# Altium PCB galileo_cleaned.PcbDoc (part 3 of 10)
Units mil, origin at the board's own origin, x right, y up, seen from the top; angles counter-clockwise.
Board outline 4205 x 2835.09 mil, 6 copper layers (TOP, PWR, LYR_1, LYR_2, GND, BOTTOM), stack 80.1 mil thick; 533 components, 432 nets, 2101 pads, 1155 vias.
Unrouted connection lines stored in the file: 669.
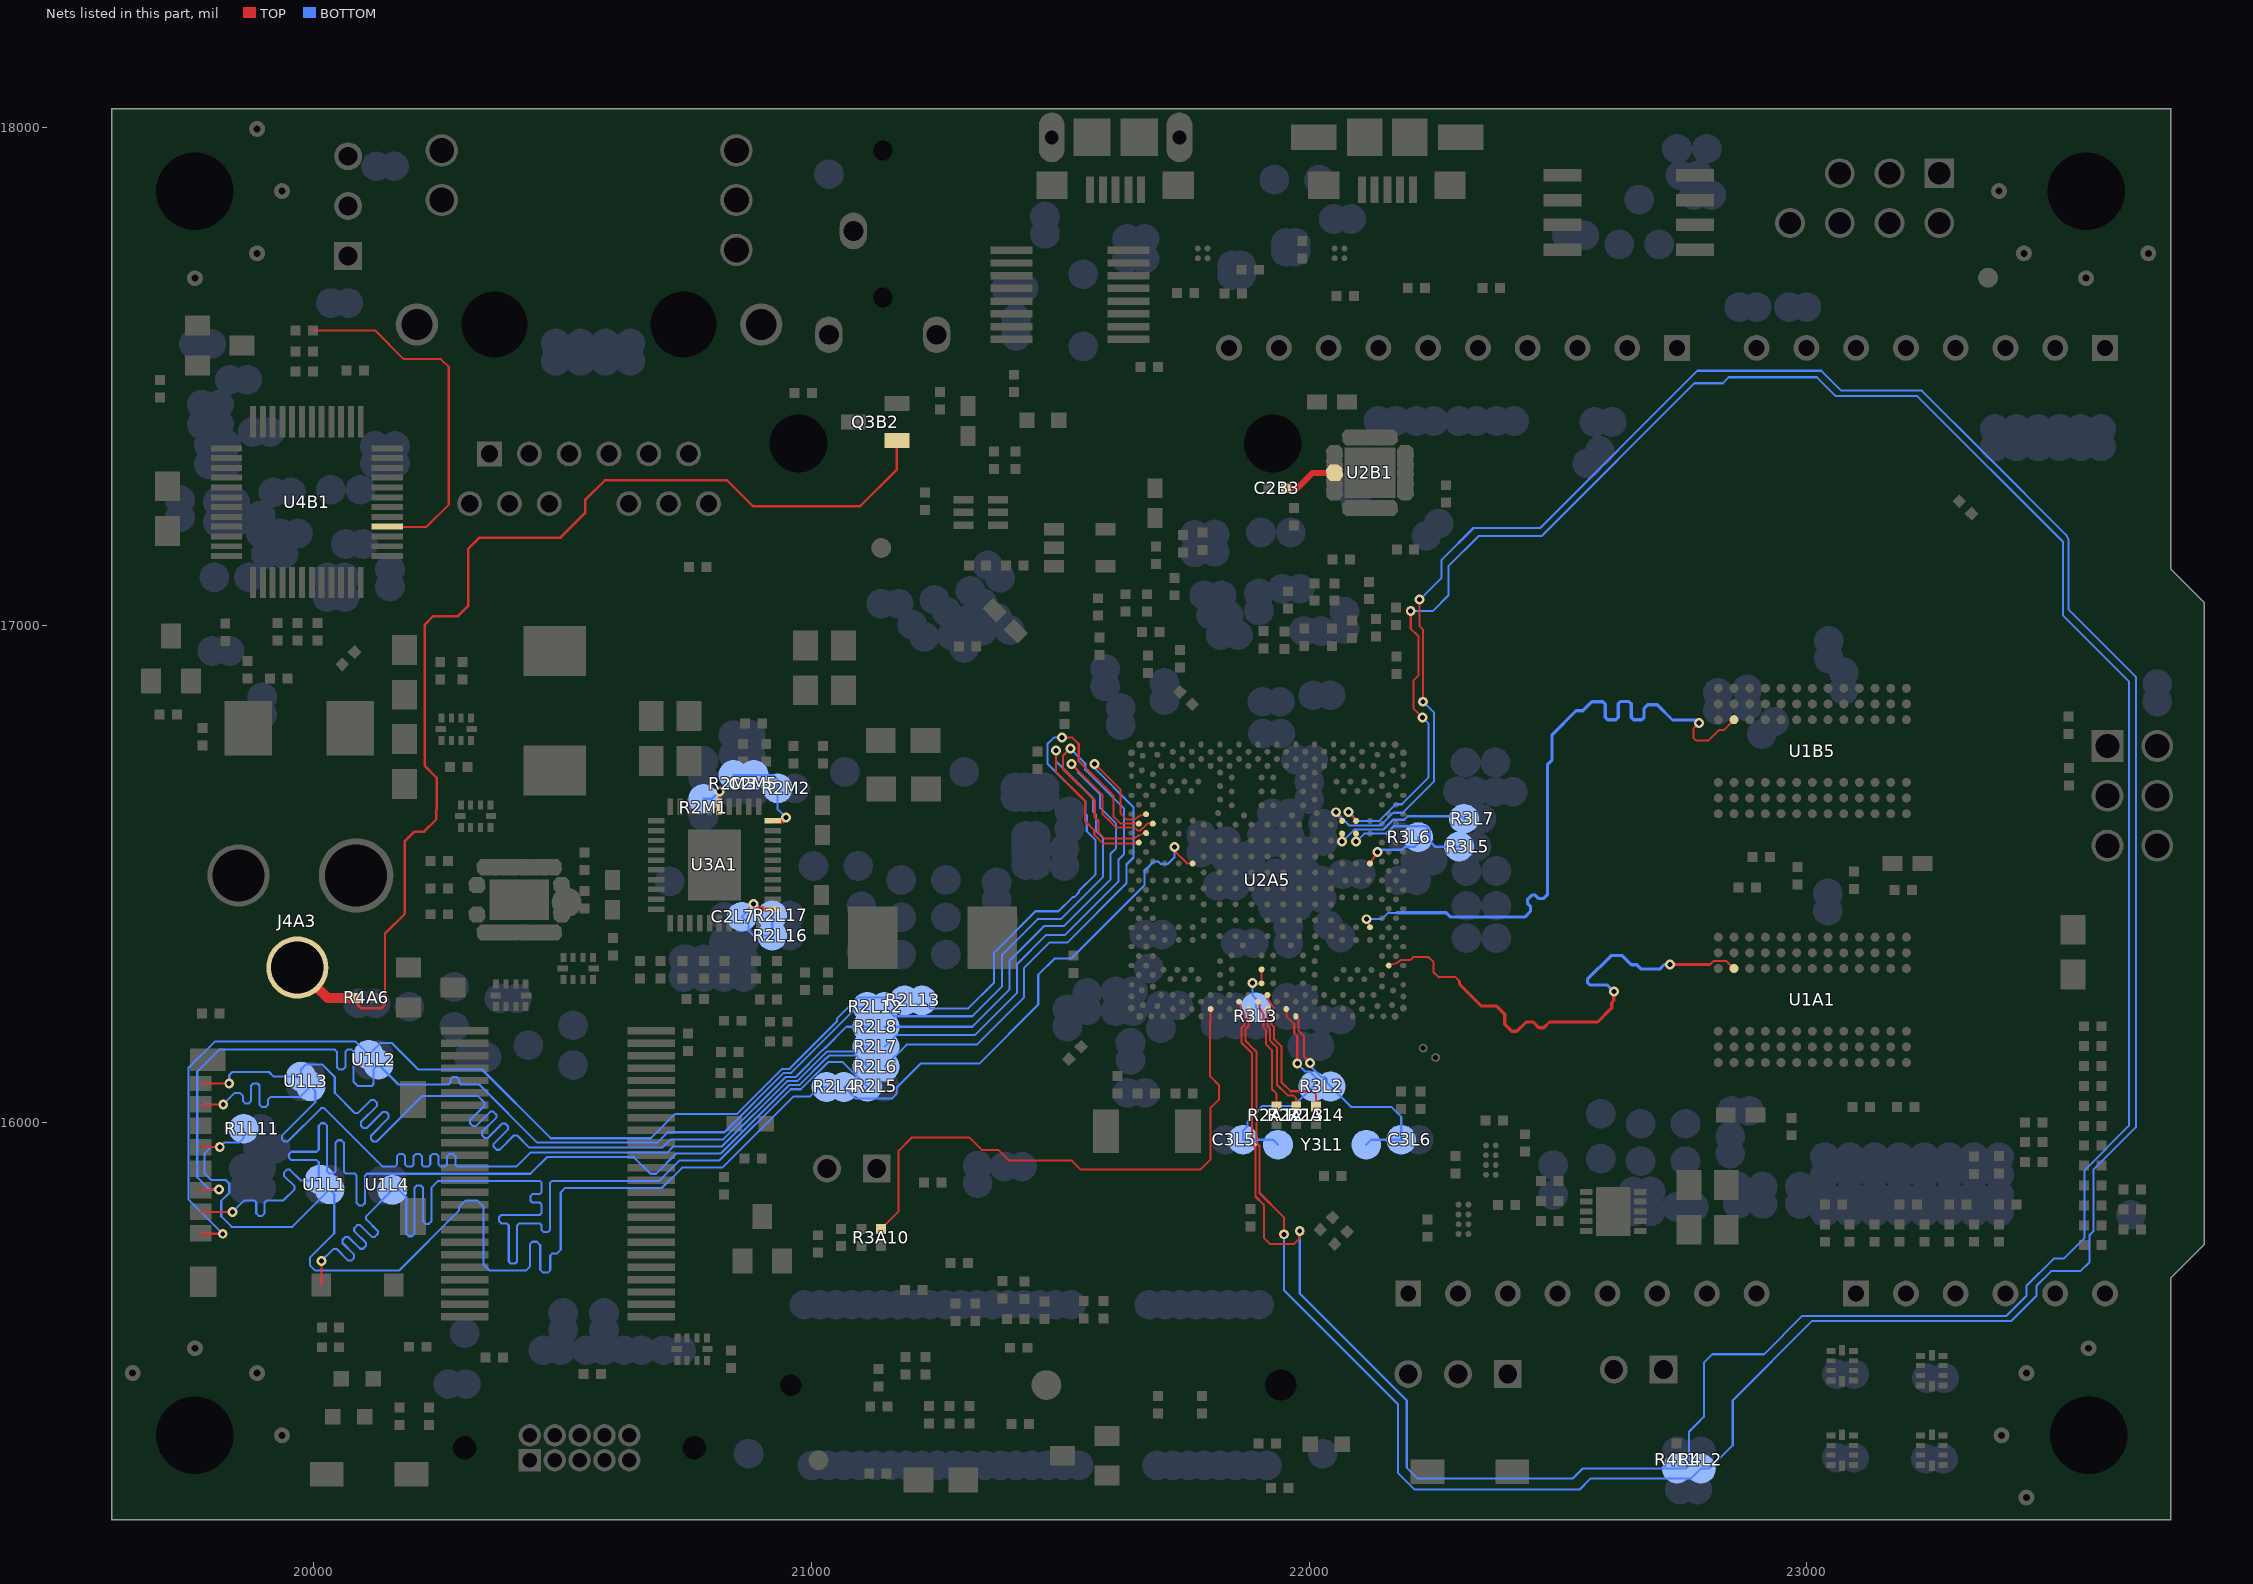
[diagram p7: the nets of this part, all layers, seen from the top]

## Via types
v1: diameter 20, hole 10, TOP to BOTTOM, 1096 vias
v2: diameter 18, hole 10, TOP to BOTTOM, 43 vias
v3: diameter 25, hole 25, TOP to BOTTOM, 16 vias

## Nets (pads, with @x,y where several pads share a name; then routed paths per layer and width w, separated by ;. In a path a pad name is that pad's centre, name@x,y a point inside that pad or via, vN(x,y) a via of type N, cw(c..) or ccw(c..) an arc to the next point about the centre after c; other vN are vias at no path point) (continued)
CLN_SD_CD_N_R: R2L5.2 U1L4.A2 | length 2414.7
  TOP w4.2: 20015.19,15674.02 v1(20015.19,15722.19)
  BOTTOM w4.2: v1(20015.19,15722.19) 20039.7,15746.7 20045.64,15746.7 20069.2,15723.14 20075.14,15723.14 20081.08,15729.08 20081.08,15735.02 20057.52,15758.58 20057.52,15764.52 20063.46,15770.46 20069.4,15770.46 20092.96,15746.9 20098.9,15746.9 20104.84,15752.84 20104.84,15758.78 20081.28,15782.34 20081.28,15788.28 20087.22,15794.22 20093.16,15794.22 20116.72,15770.66 20122.66,15770.66 20128.6,15776.6 20128.6,15782.54 20105.04,15806.1 20105.04,15812.04 20157.84,15864.84 U1L4.A2@20157.84,15865.16 20170.84,15865.16 20185.64,15850.36 20185.64,15776.92 20190.56,15772 20197.52,15772 20202.44,15776.92 20202.44,15869.8 20206.64,15874 20215.04,15874 20219.24,15869.8 20219.24,15801.92 20224.16,15797 20231.12,15797 20236.04,15801.92 20236.04,15869.8 20249.64,15883.4 20453.47,15883.4 20457.67,15879.2 20457.67,15860.73 20453.47,15856.53 20439.2,15856.53 20435,15852.33 20435,15843.93 20439.2,15839.73 20453.47,15839.73 20457.67,15835.53 20457.67,15818.8 20453.47,15814.6 20376.2,15814.6 20372,15810.4 20372,15802 20376.2,15797.8 20387.49,15797.8 20391.69,15793.6 20391.69,15721.4 20395.89,15717.2 20404.29,15717.2 20408.49,15721.4 20408.49,15793.6 20412.69,15797.8 20453.47,15797.8 20457.67,15793.6 20457.67,15784.4 20461.87,15780.2 20470.27,15780.2 20474.47,15784.4 20474.47,15879.2 20478.67,15883.4 20693.76,15883.4 20734.46,15924.1 20777.23,15924.1 20777.33,15924.2 20814.84,15924.2 20958.04,16067.4 20978.4,16067.4 21033,16122 21063,16122 R2L5.2@21112,16073
CLN_SD_CLK: R1L11.1 R2L4.1 U1L1.B1 | length 2327.4
  TOP w4.2: 19773.06,15950.98 v1(19810.98,15950.98)
  BOTTOM w4.2: R1L11.1@19859,15988 19859,15969 19850,15960 19820,15960 v1(19810.98,15950.98) 19792.98,15950.98 19780,15938 19780,15899 19794,15885 19823,15885 19830,15878 19830,15859 19814,15843 19814,15812 19835,15791 19956.68,15791 U1L1.B1@20031.84,15866.16 20041,15857 20041,15778 19992,15729 19992,15714 20003,15703 20171,15703 20292,15824 20292,15831 20305,15844 20328,15844 20341,15831 20341,15716 20354,15703 20398.41,15703 20426,15703 20434,15711 20434,15756 20439,15761 20448,15761 20455,15754 20455,15705 20461,15699 20470,15699 20475,15704 20475,15733 20479,15737 20488,15737 20496.08,15745.08 20496.08,15860 20505.28,15869.2 20699.64,15869.2 20740.34,15909.9 20783.11,15909.9 20783.21,15910 20820.72,15910 20963.92,16053.2 20997.2,16053.2 21016,16072 R2L4.1@21030,16072
CLN_SD_CLK_R: R2L4.2 U2A5.J19 | length 1013.3
  TOP w4.2: v1(21729,16554) 21729,16546.92 21754.92,16521 U2A5.J19@21765.8,16521
  BOTTOM w4.2: R2L4.2@21065,16072 21088,16049 21162,16049 21171,16058 21171,16071 21219,16119 21337,16119 21455.6,16237.6 21455.6,16297.4 21488.4,16330.2 21522.11,16330.2 21669,16477.09 21669,16506 21688,16525 21697,16525 21702,16520 21716,16520 21729,16533 v1(21729,16554)
CLN_SD_CMD: R2L12.1 U2A5.B22 | length 1192.1
  TOP w4: 21578,16569 21586,16561 21649,16561 21651.02,16563.02 U2A5.B22@21657.59,16563.02
  TOP w4.2: v1(21491,16748) 21491,16705 21549.5,16646.5 21549.5,16606.5 21568,16588 21568,16579 21578,16569
  BOTTOM w4.2: R2L12.1@21147,16233 21166,16214 21323,16214 21383,16274 21383,16337.91 21454.29,16409.2 21500.66,16409.2 21586,16494.54 21586,16572 21572,16586 21572,16619 21566,16625 21566,16652 21491,16727 v1(21491,16748)
CLN_SD_CMD_R: R2L12.2 U1L2.B1 | length 2035.5
  TOP w4.2: 19773.06,15864.37 19774.69,15866 v1(19809,15866)
  BOTTOM w4.2: v1(19809,15866) 19790,15866 19765.8,15890.2 19765.8,16102.8 19810,16147 20042.26,16147 20046.46,16142.8 20046.46,16111.92 20051.38,16107 20058.34,16107 20063.26,16111.92 20063.26,16142.8 20067.46,16147 20075.86,16147 20080.06,16142.8 20080.06,16081.94 20088,16074 20116,16074 20120,16078 20120,16107.32 U1L2.B1@20129.84,16117.16 20170,16077 20270.55,16077 20274.75,16081.2 20274.75,16087.8 20278.95,16092 20287.35,16092 20291.55,16087.8 20291.55,16081.2 20295.75,16077 20332,16077 20449,15960 20690,15960 20710.9,15980.9 20825.15,15980.9 20944.45,16100.2 20959.2,16100.2 21092,16233 R2L12.2@21112,16233
CLN_SD_DAT0_R: R2L7.2 U1L3.A2 | length 1999
  TOP w4.2: 19773.06,16037.6 19773.66,16037 v1(19818,16037)
  BOTTOM w4.2: v1(19818,16037) 19841,16060 19851.29,16060 19857.29,16054 19857.29,16043.92 19862.21,16039 19869.17,16039 19874.09,16043.92 19874.09,16074.8 19878.29,16079 19886.69,16079 19890.89,16074.8 19890.89,16036.2 19895.09,16032 19903.49,16032 19907.69,16036.2 19907.69,16046 19913.69,16052 19972.68,16052 U1L3.A2@19993.84,16073.16 20002.82,16064.18 20002.82,16041.24 19935.77,15974.19 19935.77,15967.23 19940.69,15962.31 19947.65,15962.31 20014.7,16029.36 20020.64,16029.36 20138.2,15911.8 20162.57,15911.8 20166.77,15916 20166.77,15932.8 20170.97,15937 20179.37,15937 20183.57,15932.8 20183.57,15916 20187.77,15911.8 20196.17,15911.8 20200.37,15916 20200.37,15932.8 20204.57,15937 20212.97,15937 20217.17,15932.8 20217.17,15916 20221.37,15911.8 20229.77,15911.8 20233.97,15916 20233.97,15932.8 20238.17,15937 20246.57,15937 20250.77,15932.8 20250.77,15916 20254.97,15911.8 20263.37,15911.8 20267.57,15916 20267.57,15932.8 20271.77,15937 20280.17,15937 20284.37,15932.8 20284.37,15916 20288.57,15911.8 20407,15911.8 20435.2,15940 20710.18,15940 20722.68,15952.5 20765.45,15952.5 20765.55,15952.6 20820.05,15952.6 20951.25,16083.8 20971.61,16083.8 21026.21,16138.4 21026.8,16138.4 21031.6,16143.2 21088.2,16143.2 21098,16153 R2L7.2@21112,16153
CLN_SD_DAT1_R: R2L8.2 U1L3.B1 | length 2112.2
  TOP w4.2: 19773.06,16078.94 19801.66,16078.94 19801.72,16079 v1(19830,16079)
  BOTTOM w4.2: v1(19830,16079) 19830,16096.1 19835.9,16102 19910,16102 19919.16,16092.84 U1L3.B1@19974.16,16092.84 19974.16,16107.16 19984,16117 20017,16117 20042,16092 20042,16060 20082.65,16019.35 20088.59,16019.35 20114.64,16045.4 20121.6,16045.4 20126.52,16040.48 20126.52,16033.52 20094.48,16001.48 20094.48,15994.52 20099.4,15989.6 20106.36,15989.6 20138.4,16021.64 20145.36,16021.64 20150.28,16016.72 20150.28,16009.76 20114.74,15974.22 20114.74,15967.26 20119.66,15962.34 20126.62,15962.34 20218.28,16054 20329,16054 20342.86,16040.14 20342.86,16034.2 20313.8,16005.14 20313.8,15999.2 20319.74,15993.26 20325.68,15993.26 20354.74,16022.32 20360.68,16022.32 20366.62,16016.38 20366.62,16010.44 20337.56,15981.38 20337.56,15975.44 20343.5,15969.5 20349.44,15969.5 20378.5,15998.56 20384.44,15998.56 20390.38,15992.62 20390.38,15986.68 20361.32,15957.62 20361.32,15951.68 20367.26,15945.74 20373.2,15945.74 20402.26,15974.8 20408.2,15974.8 20433,15950 20700.09,15950 20716.79,15966.7 20822.55,15966.7 20947.85,16092 20968.21,16092 21022.81,16146.6 21023.41,16146.6 21028.21,16151.4 21028.4,16151.4 21070,16193 R2L8.2@21112,16193
CLN_SD_DAT2_R: R2L13.2 U1L2.A2 | length 2089.2
  TOP w4.2: 19773.06,15777.76 19773.82,15777 v1(19817,15777)
  BOTTOM w4.2: v1(19817,15777) 19748,15846 19748,16110 19801,16163 20084,16163 U1L2.A2@20110.16,16136.84 20133.32,16160 20157,16160 20210,16107 20338,16107 20476,15969 20677.09,15969 20725.89,16017.8 20850.46,16017.8 20941.06,16108.4 20955.8,16108.4 21050.88,16203.48 21050.88,16208.88 21094,16252 21159,16252 21165,16246 R2L13.2@21187,16246
CLN_SD_DAT3_R: R2L6.2 U1L1.A2 | length 2178.9
  TOP w4.2: 19773.06,15821.06 19814.94,15821.06 19815,15821 v1(19837,15821)
  BOTTOM w4.2: v1(19837,15821) 19860,15844 19880.15,15844 19884.35,15839.8 19884.35,15817.92 19889.27,15813 19896.23,15813 19901.15,15817.92 19901.15,15839.8 19905.35,15844 19939,15844 19961.36,15866.36 19961.36,15872.3 19939.8,15893.86 19939.8,15899.8 19945.74,15905.74 19951.68,15905.74 19973.24,15884.18 20010.5,15884.18 U1L1.A2@20012.16,15885.84 20009.81,15888.19 20009.81,15920.82 20005.61,15925.02 19954.92,15925.02 19950,15929.94 19950,15936.9 19954.92,15941.82 20005.61,15941.82 20009.81,15946.02 20009.81,15994.08 20014.73,15999 20021.69,15999 20026.61,15994.08 20026.61,15902.2 20030.81,15898 20039.21,15898 20043.41,15902.2 20043.41,15960.08 20048.33,15965 20055.29,15965 20060.21,15960.08 20060.21,15902.2 20064.41,15898 20081.92,15898 20086.12,15893.8 20086.12,15838.92 20091.04,15834 20098,15834 20102.92,15838.92 20102.92,15893.8 20106.72,15897.6 20435,15897.6 20468.4,15931 20643,15931 20676.4,15897.6 20687.87,15897.6 20728.57,15938.3 20771.34,15938.3 20771.44,15938.4 20817.44,15938.4 20954.65,16075.6 20975,16075.6 21029.6,16130.2 21030.2,16130.2 21035,16135 21090,16135 R2L6.2@21112,16113
CLN_SD_DAT<0>: R2L7.1 U2A5.C23 | length 1265.3
  TOP w4: 21576.53,16583.53 21589.04,16571.02 21647.67,16571.02 21652.3,16573.86 21656.3,16577.06 21658.38,16577.71 U2A5.C23@21672.26,16582.02
  TOP w4.2: v1(21520,16752) 21505.2,16737.2 21505.2,16710.89 21569,16647.09 21569,16614 21576.53,16606.47 21576.53,16583.53
  BOTTOM w4.2: R2L7.1@21147,16153 21170,16176 21328,16176 21413,16261 21413,16319 21471,16377 21508.64,16377 21617,16485.36 21617,16529 21628,16540 21628,16631 21550,16709 21550,16722 v1(21520,16752)
CLN_SD_DAT<1>: R2L8.1 U2A5.D24 | length 1130.3
  TOP w4: 21600.65,16604.67 21612.3,16593.02 21648.17,16593.02 21648.25,16592.96 21652.05,16590.16 21654.69,16587.76 21660.99,16587.76 21664.14,16590.91 21665.7,16592.12 21674.6,16601.02 U2A5.D24@21685.82,16601.02
  TOP w4.2: v1(21522,16721) 21585,16658 21585,16620.32 21600.65,16604.67
  BOTTOM w4.2: R2L8.1@21147,16193 21323,16193 21398,16268 21398,16326 21467,16395 21506.55,16395 21601,16489.45 21601,16541 21612,16552 21612,16601 21580,16633 21580,16658.91 21535.8,16703.11 21535.8,16707.2 v1(21522,16721)
CLN_SD_DAT<2>: R2L13.1 U2A5.B24 | length 1110.9
  TOP w4: 21607,16615 21620.98,16601.02 U2A5.B24@21657.59,16601.02
  TOP w4.2: v1(21503,16774) 21524,16774 21537,16761 21537,16727 21607,16657 21607,16615
  BOTTOM w4.2: R2L13.1@21222,16246 21238,16230 21315,16230 21367,16282 21367,16342 21450,16425 21496.37,16425 21524.77,16453.4 21527.68,16453.4 21537.11,16462.83 21537.11,16465.74 21571,16499.63 21571,16568 21553,16586 21553,16617.91 21550,16620.91 21550,16646 21474,16722 21474,16761 21487,16774 v1(21503,16774)
CLN_SD_DAT<3>: R2L6.1 U2A5.C26 | length 1131.5
  TOP w4: v1(21569,16721) 21621,16669 21621,16621 21632.98,16609.02 21647.67,16609.02 21652.3,16611.87 21656.3,16615.07 U2A5.C26@21672.26,16620.03
  BOTTOM w4.2: R2L6.1@21147,16113 21191,16157 21332,16157 21427.2,16252.2 21427.2,16311.4 21477.8,16362 21513.73,16362 21633,16481.27 21633,16519 21647,16533 21647,16634 21569,16712 v1(21569,16721)
CLN_XTAL_IN: C3L5.1 R3L2.1 U2A5.AA2 Y3L1.1 | length 466.5
  TOP w4.2: U2A5.AA2@21954.01,16228.59 21954.01,16221.14 21954.11,16220.97 21954.11,16213.89 21969.9,16198.1 21969.9,16180.1 21976,16174 v1(21976,16119)
  BOTTOM w4.2: Y3L1.1@21937.32,15956 21927.32,15966 C3L5.1@21867,15966 21867,15983.76 21876.1,15992.86 21876.1,16002.1 21901.85,16027.85 21901.85,16029.7 21906.15,16034 21969,16034 R3L2.1@22008,16073 22015.9,16080.9 22015.9,16083.87 22016,16083.97 22016,16088 22001,16103 21992,16103 v1(21976,16119)
CLN_XTAL_OUT: C3L6.1 R3L2.2 U2A5.AB1 Y3L1.2 | length 461.8
  TOP w4: U2A5.AB1@21973.01,16213.93 21978,16208.94 21978,16186 21983,16181
  TOP w4.2: 21983,16181 21989.5,16174.5 21989.5,16132.5 v1(22002,16120)
  BOTTOM w4.2: v1(22002,16120) 22002,16114 22024,16092 22031,16092 22036,16087 22036,16080 R3L2.2@22043,16073 22084,16032 22165,16032 22185,16012 C3L6.1@22185,15966 22124.68,15966 Y3L1.2@22114.68,15956
DCAP: C2B3.1 U2B1.8 | length 110.8
  TOP w4.2: U2B1.8@22049.56,17306 U2B1.8@22050.98,17306
  TOP w12: C2B3.1@21953,17275 21976,17275 22007,17306 U2B1.8@22049.56,17306
DDR3_CMDPU: R3L5.1 U2A5.AK23 | length 265.5
  TOP w4: v1(22094.2,16565) U2A5.AK23@22094.2,16581
  BOTTOM w4: v1(22094.2,16565) 22110.2,16581 22155.31,16581
  BOTTOM w5: 22155.31,16581 22170.31,16596 22234,16596 22242,16588 22242,16566 22253,16555 R3L5.1@22301,16555
DDR3_DM0: U1B5.B7 U2A5.AL12 | length 1349.1
  TOP w4: v1(22115.2,16409) U2A5.AL12@22122.2,16393 ; v1(22783,16803) 22772,16792 22772,16774 22778,16768 22802,16768 22823,16789 22832.53,16789 U1B5.B7@22853.52,16809.99
  BOTTOM w4: v1(22115.2,16409) 22146,16409 22159,16422 22177,16422
  BOTTOM w6.5: 22177,16422 22275,16422 22283.25,16413.75 22433.75,16413.75 22444.5,16424.5 22444.5,16435.5 22438.54,16441.46 22438.54,16448.54 22447.46,16457.46 22454.54,16457.46 22461.5,16450.5 22470.5,16450.5 22479,16459 22479,16720.84 22488,16729.84 22488,16780 22536,16828 22550,16828 22568,16846 22589.9,16846 22594.9,16841 22594.9,16815 22599.9,16810 22615.9,16810 22620.9,16815 22620.9,16842 22625.4,16846.5 22642.4,16846.5 22646.9,16842 22646.9,16815 22651.9,16810 22667.9,16810 22672.9,16815 22672.9,16832.5 22680.4,16840 22699.3,16840 22730,16809.3 22776.7,16809.3 v1(22783,16803)
DDR3_DM1: U1A1.B7 U2A5.AP7 | length 1011.1
  TOP w4: U2A5.AP7@22159.74,16315.97 22175.7,16320.92 22179.7,16324.12 22184.33,16326.97 22202.97,16326.97 22209,16333 22239.68,16333 22247.84,16324.84 ; 22247.84,16324.79 22250.03,16322.6 22250.03,16301.97 22259,16293 22293,16293 22302,16284 ; 22805,16318 22812,16325 22838.51,16325 U1A1.B7@22853.52,16309.99
  TOP w6.5: 22302,16284 22302,16278.68 22346.23,16234.45 22376.55,16234.45 22393,16218 22393,16197.9 22407.1,16183.8 22417.3,16183.8 22436,16202.5 22450,16202.5 22461.5,16191 22471.34,16191 22482.84,16202.5 22579.5,16202.5 22608,16231 22608,16241.74 22612,16245.74 v1(22612,16264) ; v1(22725,16318) 22805,16318
  BOTTOM w6.5: v1(22612,16264) 22599.08,16276.92 22564.08,16276.92 22559,16282 22559,16288 22607,16336 22629,16336 22647.5,16317.5 22658.5,16317.5 22667.25,16308.75 22704.49,16308.75 22713.74,16318 v1(22725,16318)
DDR3_DQPU: R3L7.1 U2A5.AH23 | length 284
  TOP w4: v1(22066.2,16565) U2A5.AH23@22066.2,16581
  BOTTOM w4: v1(22066.2,16565) 22090.2,16589 22149,16589 22150.5,16590.5
  BOTTOM w5: 22150.5,16590.5 22169,16609 22191,16609 22198,16616 22306,16616 R3L7.1@22311,16611
DDR3_ODTPU: R3L6.1 U2A5.AL19 | length 128.8
  TOP w4: U2A5.AL19@22122.2,16521 v1(22137,16544)
  BOTTOM w5: v1(22137,16544) 22142,16549 22187,16549 22193,16555 22212,16555 22219,16562 R3L6.1@22219,16574
DDR_ISYSPWRGOOD: R4L2.2 U2A5.AH25 U2A5.T2 | length 6566.9
  TOP w4: U2A5.T2@21877.99,16228.59 21878,16206.69 21877.99,16193.93 21872,16187.94 21872,16184.01 21871.99,16165.01 21889,16148
  TOP w4.2: 21889,16148 21894,16143 21894,15959.6 21900.2,15953.4 21900.2,15858.8 21949,15810 v1(21949,15776) ; v1(22054,16624) 22054,16619 22066.2,16606.8 U2A5.AH25@22066.2,16606.65 ; v1(22222,17051) 22222,16998 22229,16991 v1(22229,16846)
  BOTTOM w4: v1(22054,16624) 22081,16597 22143,16597 22169,16623
  BOTTOM w4.2: v1(21949,15776) 21949,15664 22178,15435 22178,15297 22212,15263 22543,15263 22564.9,15284.9 22766.9,15284.9 R4L2.2@22787,15305 22804,15305 22851,15352 22851,15442 23011,15602 23411,15602 23461,15652 23461,15672 23491,15702 23549.6,15702 23568,15720.4 23568,15774.5 23575.5,15782 23575.5,15905.5 23661,15991 23661,16896 23526,17031 23526,17171.78 23521.14,17180.86 23357.2,17344.8 23357.12,17344.8 23230.92,17471 23207.6,17471 23207.4,17471.2 23068.8,17471.2 23029,17511 22780,17511 22464,17195 22330,17195 22266,17131 22266,17095 v1(22222,17051) ; 22169,16623 22188,16623 22251,16686 22251,16824 v1(22229,16846)
DDR_PWROK: R4L1.2 U2A5.AK25 U2A5.R3 | length 6600.3
  TOP w4: U2A5.R3@21858.99,16243.26 21863.95,16227.3 21867.15,16223.3 21870,16218.67 21870,16210 21869.99,16197.25 21864,16191.26 21864,16188.01 21863.99,16161.01 21885,16140 21885,16131
  TOP w4.2: 21885,16131 21885,15957 21892,15950 21892,15852 21909,15835 21909,15769 21921.8,15756.2 21968.88,15756.2 21981,15768.33 v1(21981,15783) ; v1(22079.2,16624.65) 22079.2,16621.8 22094.2,16606.8 U2A5.AK25@22094.2,16606.65 ; v1(22204,17028) 22204,16993 22220,16977 22220,16899 22209.2,16888.2 22209.2,16832.8 v1(22228,16814)
  BOTTOM w4: v1(22079.2,16624.65) 22097.85,16606 22140,16606 22160,16626
  BOTTOM w4.2: v1(21981,15783) 21981,15657 22196,15442 22196,15307 22218,15285 22529,15285 22549,15305 R4L1.2@22739,15305 22756,15305 22763,15312 22763,15379 22779.08,15395.09 22793,15409.01 22793,15518 22810,15535 22914,15535 22991,15612 23401,15612 23441,15652 23441,15672 23496,15727 23516,15727 23558,15769 23558,15905 23647,15994 23647,16887 23515,17019 23515,17167 23222,17460 23058,17460 23020,17498 22843,17498 22831,17486 22774,17486 22467,17179 22340.5,17179 22279.5,17118 22279.5,17059.5 22248,17028 v1(22204,17028) ; 22160,16626 22174,16640 22186,16640 22240.1,16694.1 22240.1,16801.9 v1(22228,16814)
EC_PWRBTN_N: R3A10.1 U2A5.L2 | length 1161.8
  TOP w4: 21800.8,16151 21800.8,16202.31 21801.97,16203.48 21801.97,16215.58 ; 21801.98,16215.59 U2A5.L2@21801.98,16228.59
  TOP w4.2: R3A10.1@21140,15787 21175,15822 21175,15944 21201.8,15970.8 21317.2,15970.8 21342.9,15945.1 21375.9,15945.1 21397,15924 21523,15924 21541,15906 21781,15906 21802,15927 21802,16030.2 21819,16047.2 21819,16075 21800.8,16093.2 21800.8,16151
EN_V1P5_S5: C2M5.1 R2M2.2 R2M3.1 U3A1.20 | length 206.5
  TOP w10: U3A1.20@20921.88,16606.58 20942.58,16606.58 v1(20949,16613)
  BOTTOM w4.2: R2M3.1@20843,16699 C2M5.1@20884,16699 20923,16699 20932,16690 R2M2.2@20932,16672 20932,16630 v1(20949,16613)
EN_V3P3_S5: C2L7.1 R2L16.1 R2L17.2 U3A1.11 | length 204.7
  TOP w10: v1(20883,16440) 20893.58,16429.42 U3A1.11@20921.88,16429.42
  BOTTOM w4.2: v1(20883,16440) 20870.9,16427.9 20870.9,16424.9 C2L7.1@20860,16414 20873.1,16400.9 20873.1,16387 20884.1,16376 R2L16.1@20921,16376 R2L17.2@20921,16417
ETH_BLINK: U4B1.40 | length 722.2
  TOP w4.2: 19998.5,17592 20123.5,17592 20181,17534.5 20255.3,17534.5 20271,17518.8 20271,17242 20226,17197 20148.21,17197 U4B1.40@20147.42,17197.79
EXT_REFCLK_HPLL: R3L3.1 U2A5.V5 U2A5.V7 | length 98.5
  TOP w4.2: v1(21886,16281) 21886.74,16280.26 U2A5.V5@21904.33,16280.26 U2A5.V7@21904.33,16308.26
  BOTTOM w4.2: v1(21886,16281) 21886,16256.1 21893,16249.1 R3L3.1@21893,16232
F_PWM: R2M1.2 U3A1.25 | length 68.9
  TOP w4.2: U3A1.25@20814.84,16634.88 v1(20814.84,16665.84)
  BOTTOM w4.2: R2M1.2@20783,16651 20800,16651 v1(20814.84,16665.84)
FLEX0_CLK: R2A14.1 U2A5.V4 | length 292.3
  TOP w4: U2A5.V4@21916,16256.82 21916,16248.11 21918.05,16246.05 21918.15,16246.05 21925.16,16236.37 21926.53,16234.59 21928.07,16233.05 21928.07,16227.05 21926.86,16223.04 21924,16219.16 21924,16198.15 21929,16193.15 21929,16169 21932,16166
  TOP w4.2: 21932,16166 21944,16154 21944,16082 21962.7,16063.3 22006.7,16063.3 22014,16056 R2A14.1@22014,16033
FLEX1_CLK: R2A13.1 U2A5.V2 | length 226.1
  TOP w4: U2A5.V2@21916,16228.59 21916,16194.84 21921,16189.84 21921,16165.4 21925.34,16161.06
  TOP w4.2: 21925.34,16161.06 21935,16151.4 21935,16077 21957,16055 21968,16055 21974,16049 R2A13.1@21974,16033
FLEX2_CLK: R2A12.1 U2A5.U3 | length 224.7
  TOP w4: U2A5.U3@21897,16243.26 21900.59,16239.67 21900.59,16231.69 21901.95,16227.3 21905.15,16223.3 21908,16218.67 21908,16191.52 21913,16186.52 21913,16158 21917,16154
  TOP w4.2: 21917,16154 21925,16146 21925,16068 21934,16059 R2A12.1@21934,16033
GATE_V5_USB: J4A3.3 Q3B2.1 R4A6.2 | length 2310.6
  TOP w5: R4A6.2@20088.5,16251 20088.5,16236.5 20095,16230 20135,16230 20143,16238 20143,16380 20183,16420 20183,16566 20202,16585 20221.59,16585 20246,16609.41 20246,16629 20247,16630 20247,16693 20223,16717 20223,17001 20240,17018 20290,17018 20310,17038 20310,17153 20333,17176 20496,17176 20545,17225 20545,17251 20585,17291 20830,17291 20882,17239 21098,17239 21171.5,17312.5 Q3B2.1@21171.5,17370.5
  TOP w20: J4A3.3@19966.89,16311.96 20027.85,16251 R4A6.2@20088.5,16251